# Altium PCB PM12_CFD.PcbDoc (part 12 of 12)
Units mm, origin at the board's own origin, x right, y up, seen from the top; angles counter-clockwise.
Board outline 96.25 x 362.25 mm, 6 copper layers (Top Layer, Mid-Layer 1, Mid-Layer 2, Mid-Layer 3, Mid-Layer 4, Bottom Layer); 1413 components, 2881 nets, 4503 pads, 1682 vias.
Unrouted connection lines stored in the file: 4.
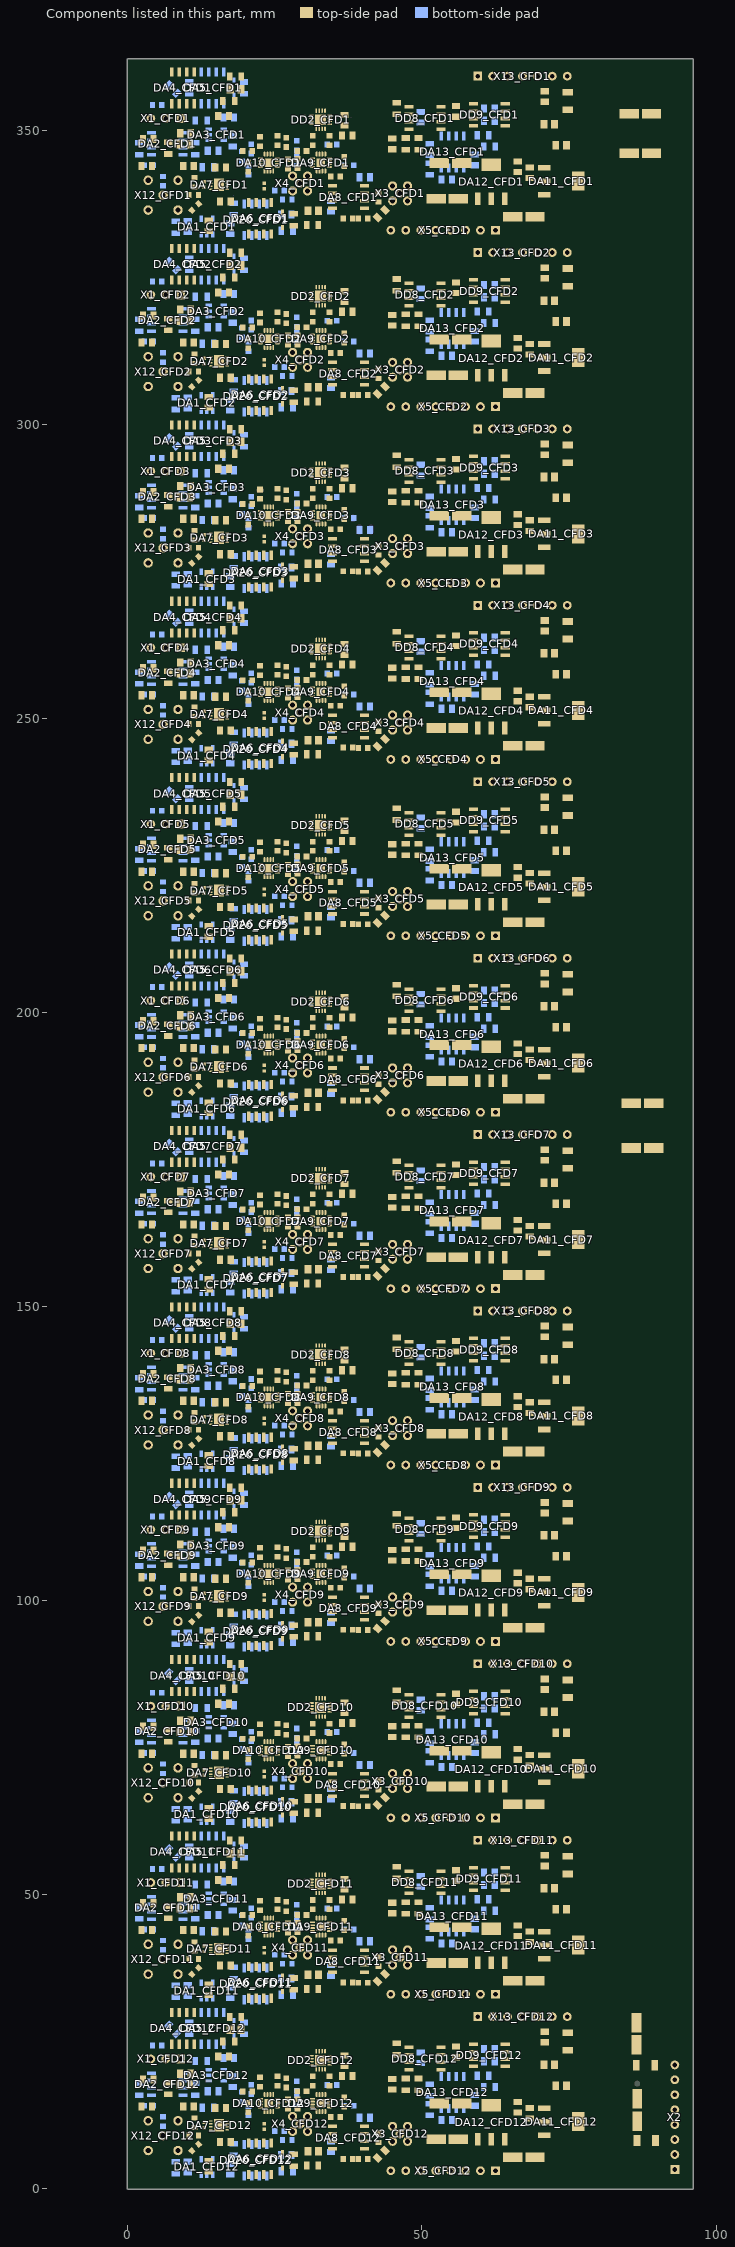
[diagram p16: the components of this part, seen from the top]

## Other copper (continued)
Mid-Layer 4:
  pour cut-out: 41.9,9.8 41.9,9 41.6,8.7 41.6,7.2 39,7.2 39,6.3 39.6,6.3 40.1,5.8 40.1,4.2 39.9,4 36.5,4 36.2,4.3 36.2,8.3 36,8.5 33.9,8.5 33.9,9.8
  pour cut-out: 47.042,11 48.038,10.004 48.038,8.52 47.08,7.562 47.08,7.5 45.52,7.5 44.53,8.49 44.53,10.05 45.48,11 45.558,11
  pour cut-out: 29.3,12.68 30.042,12.68 31.03,11.692 31.03,10.208 30.08,9.258 30.08,9.18 28.52,9.18 27.53,10.17 27.53,11.73 28.48,12.68 29.3,12.68
  pour cut-out: 13.751,12.3 17.151,12.3 17.151,9.1 13.751,9.1
  pour cut-out: 41.9,39.8 41.9,39 41.6,38.7 41.6,37.2 39,37.2 39,36.3 39.6,36.3 40.1,35.8 40.1,34.2 39.9,34 36.5,34 36.2,34.3 36.2,38.3 36,38.5 33.9,38.5 33.9,39.8
  pour cut-out: 46.3,41 47.042,41 48.03,40.012 48.03,38.45 47.08,37.5 45.52,37.5 44.53,38.49 44.53,40.05 44.608,40.05 45.558,41
  pour cut-out: 29.3,42.68 30.042,42.68 31.03,41.692 31.03,40.208 30.08,39.258 30.08,39.18 28.52,39.18 27.53,40.17 27.53,41.73 28.48,42.68 29.3,42.68
  pour cut-out: 13.8,42.3 17.2,42.3 17.2,39.1 13.8,39.1
  pour cut-out: 41.9,69.8 41.9,69 41.6,68.7 41.6,67.2 39,67.2 39,66.3 39.6,66.3 40.1,65.8 40.1,64.2 39.9,64 36.5,64 36.2,64.3 36.2,68.3 36,68.5 33.9,68.5 33.9,69.8
  pour cut-out: 46.3,71 47.042,71 48.03,70.012 48.03,68.45 47.08,67.5 45.52,67.5 44.53,68.49 44.53,70.05 44.608,70.05 45.558,71
  pour cut-out: 30.042,72.68 31.03,71.692 31.03,70.208 30.08,69.258 30.08,69.18 28.52,69.18 27.53,70.17 27.53,71.73 28.48,72.68 28.558,72.68
  pour cut-out: 13.8,72.3 17.2,72.3 17.2,69.1 13.8,69.1
  pour cut-out: 41.9,99.8 41.9,99 41.6,98.7 41.6,97.2 39,97.2 39,96.3 39.6,96.3 40.1,95.8 40.1,94.2 39.9,94 36.5,94 36.2,94.3 36.2,98.3 36,98.5 33.9,98.5 33.9,99.8
  pour cut-out: 46.3,101 47.042,101 48.03,100.012 48.03,98.45 47.08,97.5 45.52,97.5 44.53,98.49 44.53,100.05 44.608,100.05 45.558,101
  pour cut-out: 30.042,102.68 31.03,101.692 31.03,100.208 30.08,99.258 30.08,99.18 28.52,99.18 27.53,100.17 27.53,101.73 28.48,102.68 28.558,102.68
  pour cut-out: 13.8,102.3 17.2,102.3 17.2,99.1 13.8,99.1
  pour cut-out: 33.9,129.8 41.9,129.8 41.9,129 41.6,128.7 41.6,127.2 39,127.2 39,126.3 39.6,126.3 40.1,125.8 40.1,124.2 39.9,124 36.5,124 36.2,124.3 36.2,128.3 36,128.5 33.9,128.5
  pour cut-out: 47.042,131 48.03,130.013 48.03,128.45 47.08,127.5 45.52,127.5 44.53,128.49 44.53,130.05 44.608,130.05 45.558,131
  pour cut-out: 29.3,132.68 30.042,132.68 31.03,131.692 31.03,130.13 30.08,129.18 28.52,129.18 27.53,130.17 27.53,131.73 27.608,131.73 28.558,132.68
  pour cut-out: 13.8,132.3 17.2,132.3 17.2,129.1 13.8,129.1
  pour cut-out: 33.9,159.8 41.9,159.8 41.9,159 41.6,158.7 41.6,157.2 39,157.2 39,156.3 39.6,156.3 40.1,155.8 40.1,154.2 39.9,154 36.5,154 36.2,154.3 36.2,158.3 36,158.5 33.9,158.5
  pour cut-out: 47.042,161 48.03,160.012 48.03,158.528 47.08,157.578 47.08,157.5 45.52,157.5 44.53,158.49 44.53,160.05 45.48,161 45.558,161
  pour cut-out: 29.3,162.68 30.042,162.68 31.03,161.692 31.03,160.13 30.08,159.18 28.52,159.18 27.53,160.17 27.53,161.73 27.608,161.73 28.558,162.68
  pour cut-out: 15.5,162.3 17.2,162.3 17.2,159.1 13.8,159.1 13.8,162.3
  pour cut-out: 41.9,189.8 41.9,189 41.6,188.7 41.6,187.2 39,187.2 39,186.3 39.6,186.3 40.1,185.8 40.1,184.2 39.9,184 36.5,184 36.2,184.3 36.2,188.3 36,188.5 33.9,188.5 33.9,189.8
  pour cut-out: 46.3,191 47.042,191 48.03,190.012 48.03,188.45 47.08,187.5 45.52,187.5 44.53,188.49 44.53,190.05 44.608,190.05 45.558,191
  pour cut-out: 29.3,192.68 30.042,192.68 31.03,191.692 31.03,190.208 30.08,189.258 30.08,189.18 28.52,189.18 27.53,190.17 27.53,191.73 28.48,192.68 29.3,192.68
  pour cut-out: 13.8,192.3 17.2,192.3 17.2,189.1 13.8,189.1
  pour cut-out: 33.9,219.8 41.9,219.8 41.9,219 41.6,218.7 41.6,217.2 39,217.2 39,216.3 39.6,216.3 40.1,215.8 40.1,214.2 39.9,214 36.5,214 36.2,214.3 36.2,218.3 36,218.5 33.9,218.5
  pour cut-out: 46.3,221 47.042,221 48.03,220.012 48.03,218.528 47.08,217.578 47.08,217.5 45.52,217.5 44.53,218.49 44.53,220.05 45.48,221 46.3,221
  pour cut-out: 30.042,222.68 31.03,221.692 31.03,220.13 30.08,219.18 28.52,219.18 27.53,220.17 27.53,221.73 27.608,221.73 28.558,222.68
  pour cut-out: 13.8,222.3 17.2,222.3 17.2,219.1 13.8,219.1
  pour cut-out: 33.9,249.8 41.9,249.8 41.9,249 41.6,248.7 41.6,247.2 39,247.2 39,246.3 39.6,246.3 40.1,245.8 40.1,244.2 39.9,244 36.5,244 36.2,244.3 36.2,248.3 36,248.5 33.9,248.5
  pour cut-out: 47.042,251 48.03,250.012 48.03,248.528 47.08,247.578 47.08,247.5 45.52,247.5 44.53,248.49 44.53,250.05 45.48,251
  pour cut-out: 30.042,252.68 31.03,251.692 31.03,250.208 30.08,249.258 30.08,249.18 28.52,249.18 27.53,250.17 27.53,251.73 28.48,252.68
  pour cut-out: 13.8,252.3 17.2,252.3 17.2,249.1 13.8,249.1
  pour cut-out: 33.9,279.8 41.9,279.8 41.9,279 41.6,278.7 41.6,277.2 39,277.2 39,276.3 39.6,276.3 40.1,275.8 40.1,274.2 39.9,274 36.5,274 36.2,274.3 36.2,278.3 36,278.5 33.9,278.5
  pour cut-out: 47.042,281 48.03,280.012 48.03,278.528 47.08,277.578 47.08,277.5 45.52,277.5 44.53,278.49 44.53,280.05 45.48,281
  pour cut-out: 30.042,282.68 31.03,281.692 31.03,280.13 30.08,279.18 28.52,279.18 27.53,280.17 27.53,281.73 27.608,281.73 28.558,282.68
  pour cut-out: 13.8,282.3 17.2,282.3 17.2,279.1 13.8,279.1
  pour cut-out: 33.9,309.8 41.9,309.8 41.9,309 41.6,308.7 41.6,307.2 39,307.2 39,306.3 39.6,306.3 40.1,305.8 40.1,304.2 39.9,304 36.5,304 36.2,304.3 36.2,308.3 36,308.5 33.9,308.5
  pour cut-out: 47.042,311 48.03,310.012 48.03,308.528 47.08,307.578 47.08,307.5 45.52,307.5 44.548,308.472 44.513,308.472 44.513,308.473 44.53,308.49 44.53,310.05 44.608,310.05 45.558,311
  pour cut-out: 29.3,312.68 30.042,312.68 31.03,311.692 31.03,310.208 30.08,309.258 30.08,309.18 28.52,309.18 27.53,310.17 27.53,311.73 28.48,312.68 29.3,312.68
  pour cut-out: 13.8,312.3 17.2,312.3 17.2,309.1 13.8,309.1
  pour cut-out: 33.9,339.8 33.9,338.5 36,338.5 36.2,338.3 36.2,334.3 36.5,334 39.9,334 40.1,334.2 40.1,335.8 39.6,336.3 39,336.3 39,337.2 41.6,337.2 41.6,338.7 41.9,339 41.9,339.8 41.881,339.819 33.881,339.819
  pour cut-out: 47.012,341 48,340.012 48,338.528 47.05,337.578 47.05,337.5 45.49,337.5 44.5,338.49 44.5,340.05 45.45,341 45.528,341
  pour cut-out: 29.27,342.68 30.012,342.68 31,341.692 31,340.13 30.05,339.18 28.455,339.18 27.483,340.152 27.483,340.153 27.5,340.17 27.5,341.73 27.578,341.73 28.528,342.68
  pour cut-out: 13.8,342.3 17.2,342.3 17.2,339.1 13.8,339.1